# Altium PCB LED.PcbDoc
Units mm, origin at the board's own origin, x right, y up, seen from the top; angles counter-clockwise.
Board outline 32 x 32 mm, 2 copper layers (Top Layer, Bottom Layer); 25 components, 16 nets, 52 pads, 0 vias.
Unrouted connection lines stored in the file: 6.
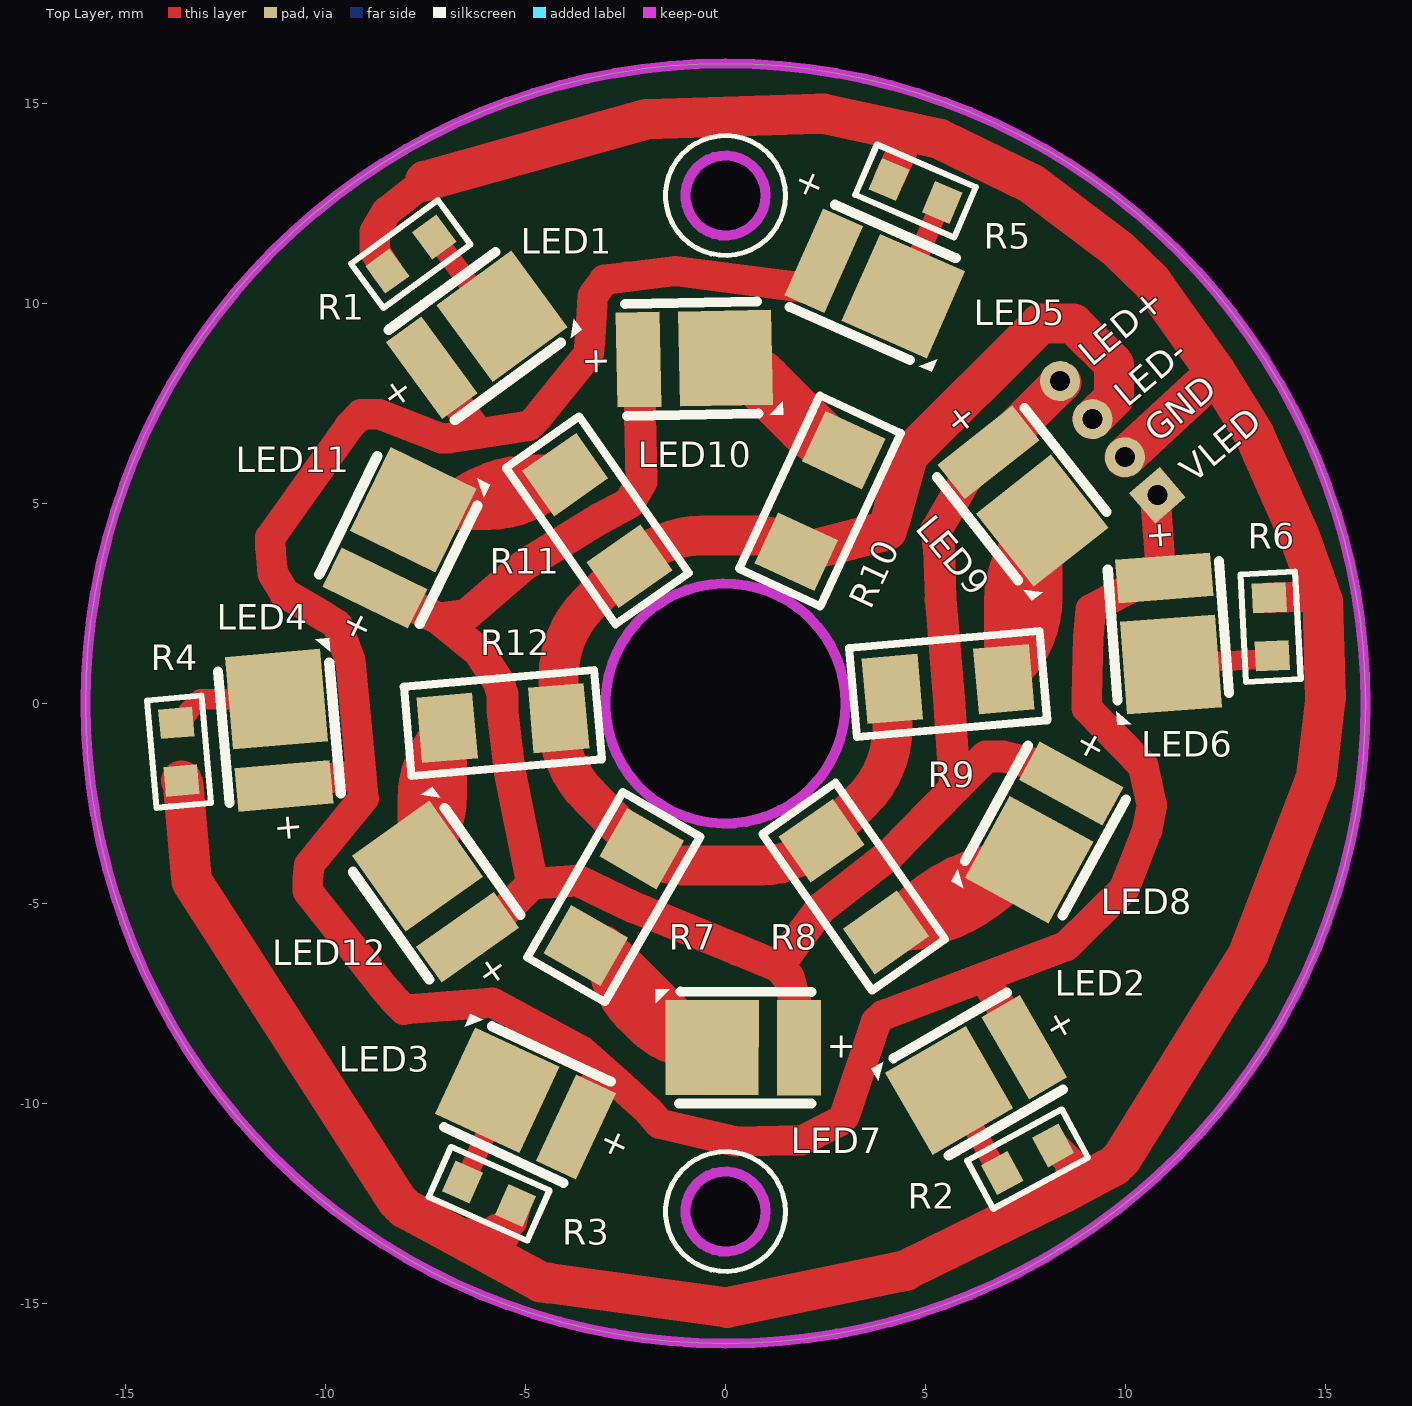
[diagram p0: Top Layer view]
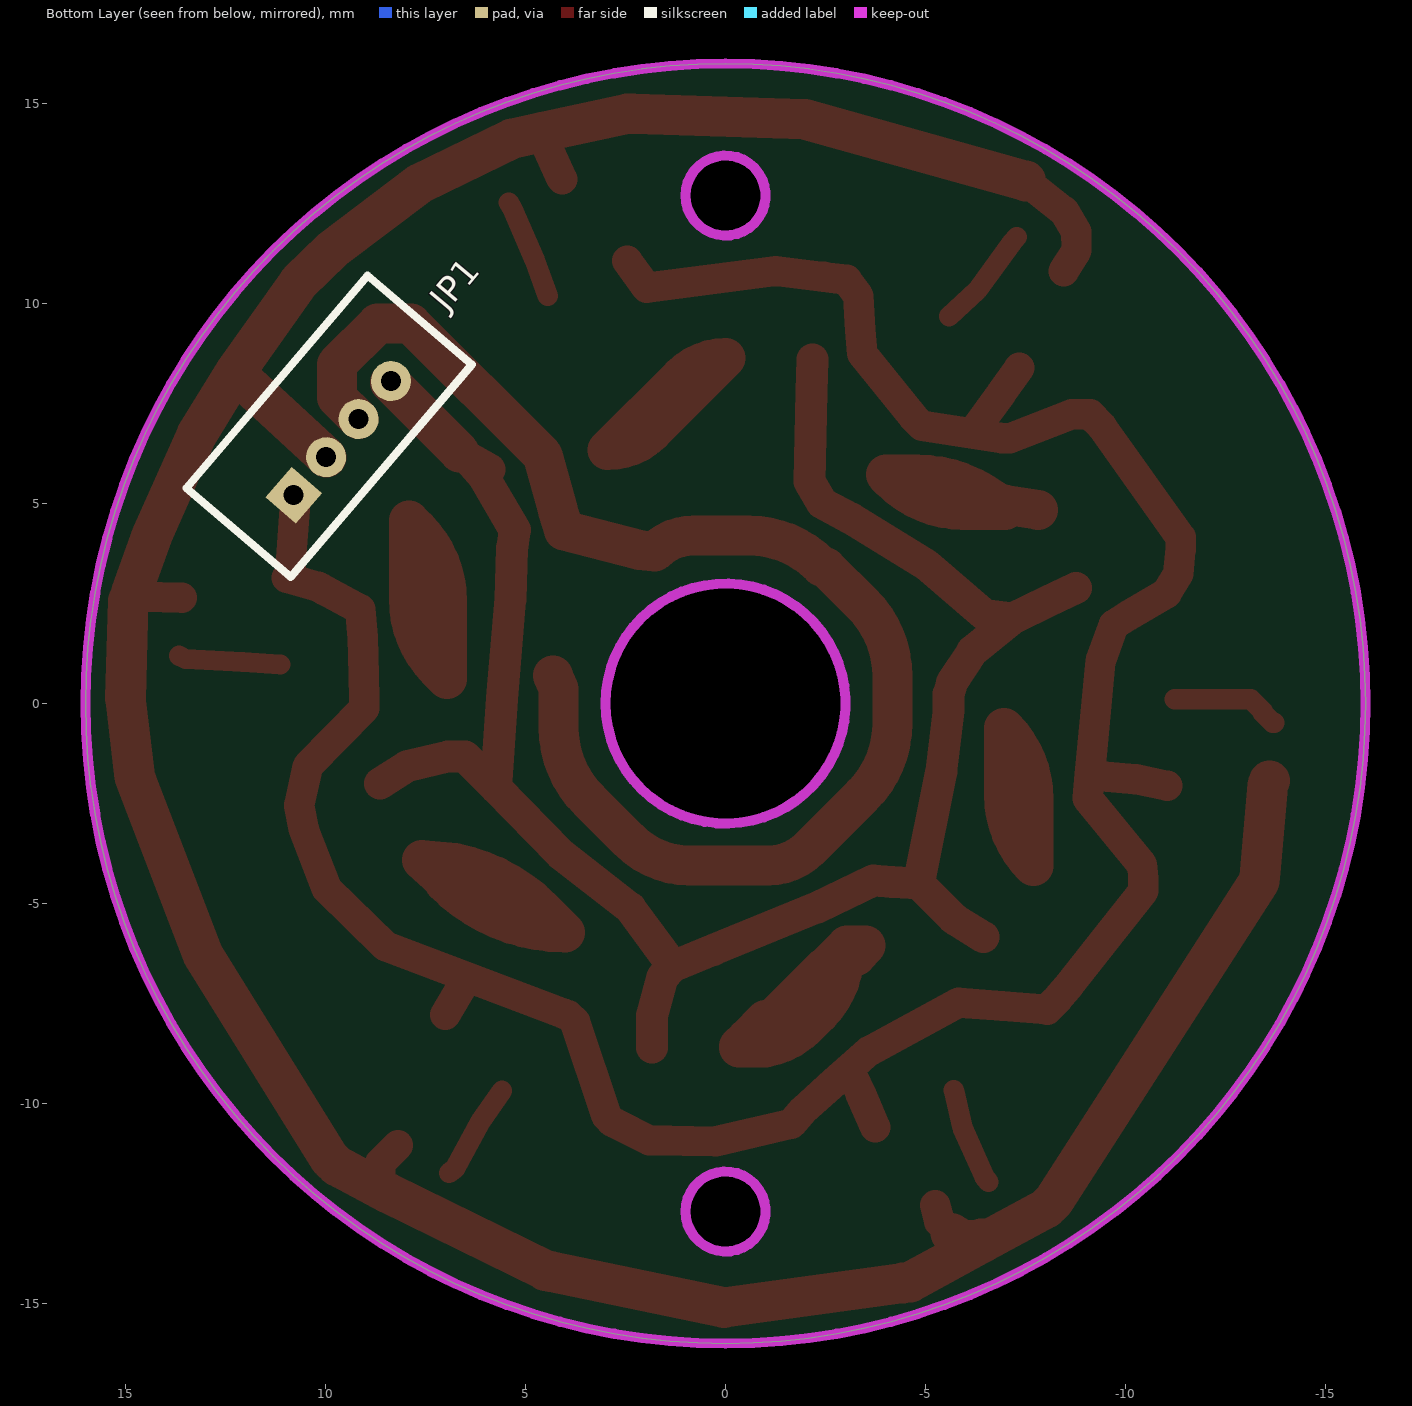
[diagram p1: Bottom Layer view, seen from below]
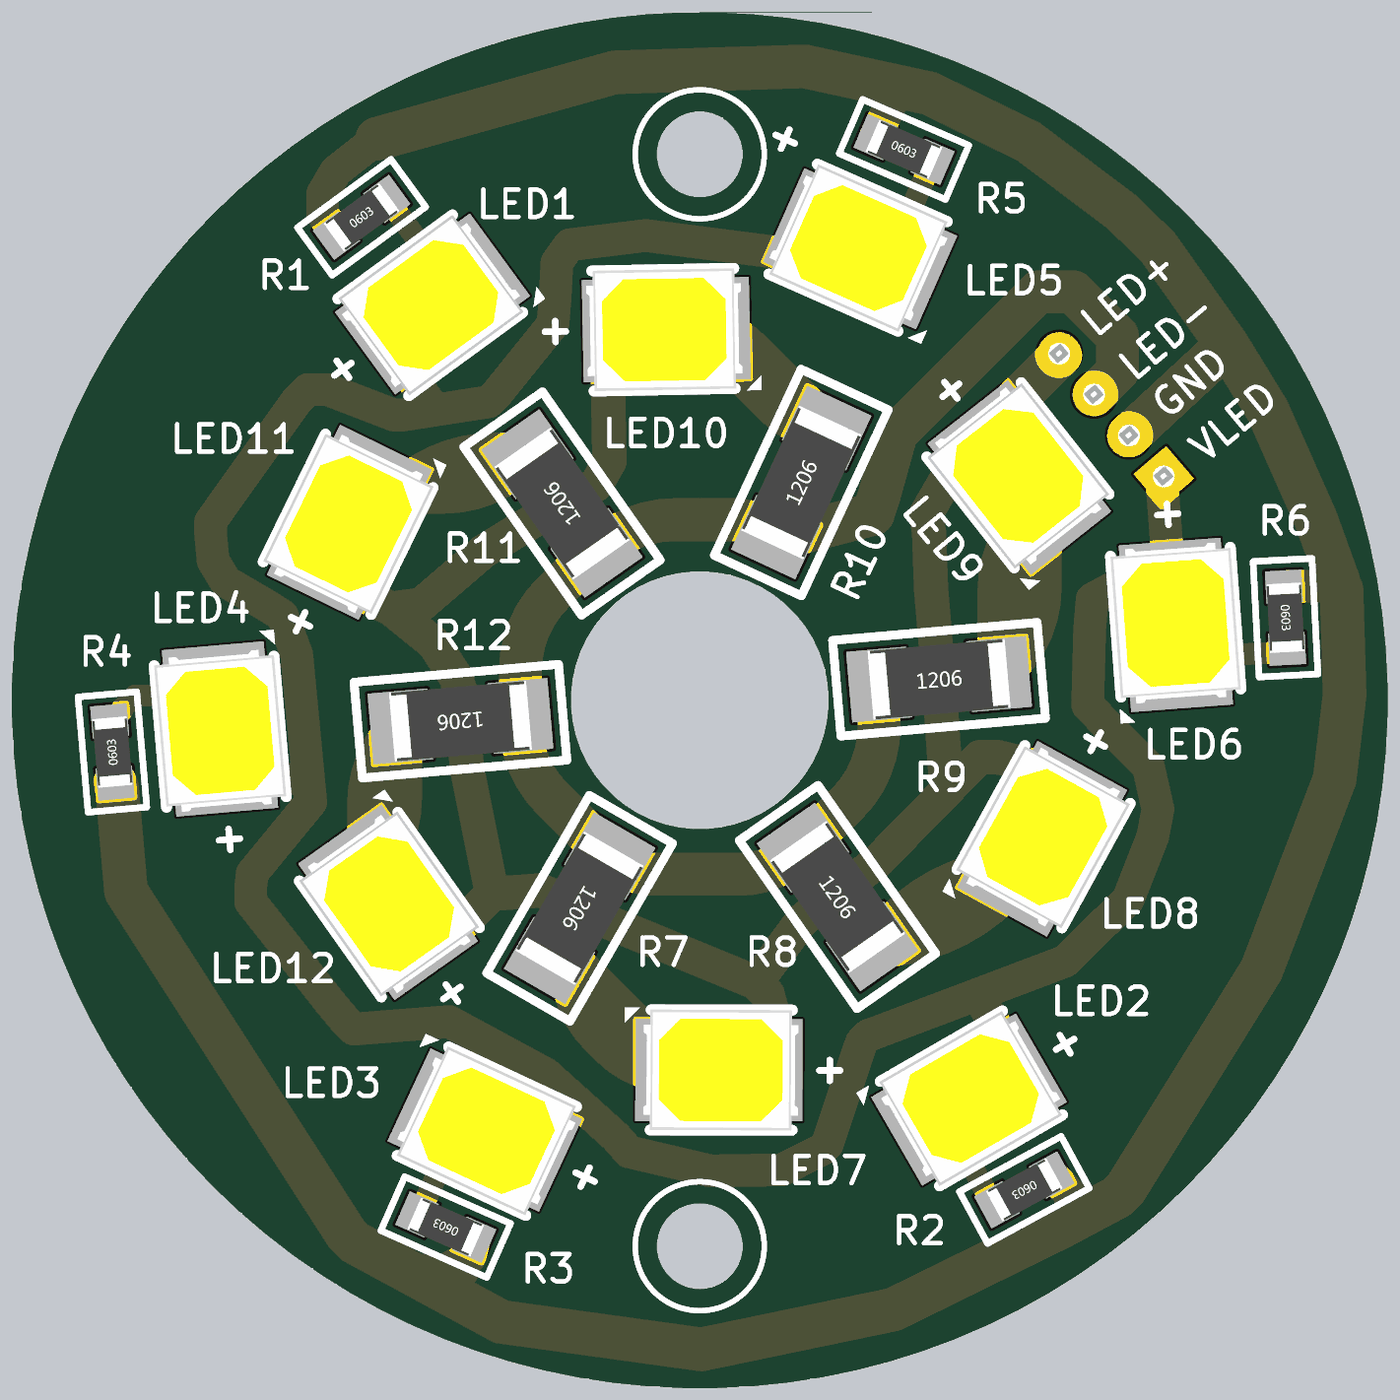
[diagram p2: 3D render of the assembled board from above, using the file's embedded part models]

## Layer stack, top to bottom
Top Solder: solder mask 0.0102, Solder Resist, Dk 3.5
Top Layer: signal copper 0.0356
Dielectric 1: dielectric 0.32, FR-4, Dk 4.8
Bottom Layer: signal copper 0.0356
Bottom Solder: solder mask 0.0102, Solder Resist, Dk 3.5

## Board outline
0,-16 cw(c0,0) -16,0 cw(c0,0) 0,16 cw(c0,0) 16,0 cw(c0,0)
cut-out: 0,-13.7 cw(c0,-12.7) -1,-12.7 cw(c0,-12.7) 0,-11.7 cw(c0,-12.7) 1,-12.7 cw(c0,-12.7)
cut-out: 0,11.7 cw(c0,12.7) -1,12.7 cw(c0,12.7) 0,13.7 cw(c0,12.7) 1,12.7 cw(c0,12.7)
cut-out: 0,-3 cw(c0,0) -3,0 cw(c0,0) 0,3 cw(c0,0) 3,0 cw(c0,0)

## Design rules (kind name [scope] priority, off if disabled: settings)
Clearance [All] p1: gap=0.152 ignorepadtopadclearanceinfootprint=TRUE except(0.254: SMDPad-Fill SMDPad-Poly SMDPad-Region; 0.305: Arc-Fill Arc-Poly Arc-Region Track-Fill Track-Poly Track-Region THPad-Fill THPad-Poly THPad-Region Via-Fill Via-Poly Via-Region Fill-Fill Fill-Poly Fill-Region Poly-Poly Poly-Region Region-Region)
PolygonConnect [All] p1: connectstyle=Direct reliefconductorwidth=0.254 reliefentries=4 polygonreliefangle="90 Angle" airgapwidth=0.254
RoutingVias [All] p1: holewidth=0.711 width=1.27 viastyle="Through Hole" minholewidth=0.711 minwidth=1.27 maxholewidth=0.711 maxwidth=1.27
SolderMaskExpansion [All] p1: expansion=0.064 istentingtop=FALSE
Width [All] p1: maxlimit=1.524 minlimit=0.152 preferedwidth=0.381
30 further rules are at their usual default settings.

## Components (designator, comment, footprint, x,y, rotation, side; value= is the part's Value field where it differs from the comment)
JP1 "HDR-1X4" MX1.25-L-4P 9.572,6.641 r130.45 bottom
LED1 "2835" "LED 2835-2P" -6.466,9.037 r216.16 top
LED2 "2835" "LED 2835-2P" 6.53,-9.135 r30 top
LED3 "2835" "LED 2835-2P" -4.723,-10.129 r335 top
LED4 "2835" "LED 2835-2P" -11.133,-0.974 r275 top
LED5 "2835" "LED 2835-2P" 3.45,10.626 r156.15 top
LED6 "2835" "LED 2835-2P" 11.052,2.059 r94.3 top
LED7 "2835" "LED 2835-2P" 0.753,-8.603 r359.89 top
LED8 "2835" "LED 2835-2P" 8.115,-2.954 r61.27 top
LED9 "2835" "LED 2835-2P" 7.245,5.426 r128.27 top
LED10 "2835" "LED 2835-2P" -1.087,8.615 r181.09 top
LED11 "2835" "LED 2835-2P" -8.287,3.864 r243.97 top
LED12 "2835" "LED 2835-2P" -7.074,-4.953 r305.27 top
R1 "100R" R0603_L -7.867,11.235 r36.13 top
R2 "100R" R0603_L 7.551,-11.39 r208.5 top
R3 "100R" R0603_L -5.91,-12.255 r156.14 top
R4 "100R" R0603_L -13.663,-1.205 r95 top
R5 "100R" R0603_L 4.752,12.813 r336.63 top
R6 "100R" R0603_L 13.626,1.919 r272.96 top
R7 "1R" R1206_L -2.794,-4.839 r240 top
R8 "1R" R1206_L 3.205,-4.577 r305 top
R9 "1R" R1206_L 5.567,0.487 r5 top
R10 "1R" R1206_L 2.362,5.064 r65 top
R11 "1R" R1206_L -3.205,4.577 r125 top
R12 "1R" R1206_L -5.567,-0.487 r185 top

## Footprints (in the part's own frame and the unit in brackets; to place one, negate y for a bottom-side part, rotate by r counter-clockwise, add the part's x,y. Pads: shape width x height; smd on the part's side, far side on the other; paste and mask are expansions set on the pad)
"LED 2835-2P" [mm]
  rect 1.1x2.38 smd mask+0.051: 1(1.088,0)
  rect 2.33x2.38 smd mask+0.051: 2(-1.087,0)
  silkscreen extent -2.5,-1.4 1.4,1.45, body extent -2.06,-1.4 1.54,1.4, height 0.71
MX1.25-L-4P [mm] "长：6.75mm，宽：3.2mm，高：4.2mm"
  rect 1x1 hole 0.5: 1(-1.885,0)
  round 1 hole 0.5: 2(-0.635,0) 3(0.615,0) 4(1.865,0)
  silkscreen extent -3.49,-1.27 3.49,2.16, body extent -3.38,-1.15 3.37,2.05, height 4.25
R0603_L [mm] "1/10W贴片电阻"
  rect 0.75x0.85 smd: 1(-0.725,0) 2(0.725,0)
  silkscreen extent -1.35,-0.69 1.35,0.69, body extent -0.8,-0.4 0.8,0.4, height 0.4
R1206_L [mm] "1/4W贴片电阻"
  rect 1.4x1.65 smd: 1(-1.4,0) 2(1.4,0)
  silkscreen extent -2.39,-1.12 2.39,1.12, body extent -1.6,-0.8 1.6,0.8, height 0.56

## Part data
JP1: library part "Header 4", "4P连接器", BOM名称=4P连接器, 联系卖家 免费技术支持=封装库来自淘宝卖家ID：黄晶宝石
LED1 LED2 LED3 LED4 LED5 LED6 LED7 LED8 LED9 LED10 LED11 LED12: library part LED-2835, "0.2W 功率LED", BOM名称=三基色LED, 封装库来自淘宝卖家：黄晶宝石=其他店铺购入均为盗版封装库，无更新权益，请立即申请退款，本店现金奖励200~1000元
R1 R2 R3 R4 R5 R6 R7 R8 R9 R10 R11 R12: library part R, "贴片电阻", BOM名称=贴片电阻, 联系下单店铺卖家 免费帮你查找封装="联系下单店铺卖家 免费技术支持"

## Nets (pads, with @x,y where several pads share a name; then routed paths per layer and width w, separated by ;. In a path a pad name is that pad's centre, name@x,y a point inside that pad or via, vN(x,y) a via of type N, cw(c..) or ccw(c..) an arc to the next point about the centre after c; other vN are vias at no path point)
GND: JP1.2 R1.1 R2.1 R3.1 R4.1 R5.1 R6.1 | length 86.1
  Top Layer w0.762: R1.1 -8.744,11.272 -8.775,11.332 -8.769,11.791 -8.466,12.305 -7.504,13.062 ; -5.636,-13.241 -5.349,-12.954 R3.1 ; R5.1 4.573,14.17 ; R2.1 8.628,-11.484 8.628,-12.136 ; R6.1 14.573,2.664
  Top Layer w1.016: R4.1 -13.556,-2.045 -13.368,-4.195 -13.346,-4.445 -8.22,-12.415 -8.09,-12.545 ; -8.018,-12.617 -6.443,-13.471 -4.616,-14.46 -4.433,-14.486 0.039,-15.101 4.376,-14.2 4.503,-14.174 8.424,-12.245 9.582,-11.628 9.715,-11.557 9.822,-11.45 ; -7.504,13.062 -1.979,14.607 2.314,14.741 2.33,14.742 2.455,14.742 4.597,14.279 5.339,14.119 7.649,12.993 9.82,11.358 10.664,10.534 12.268,8.272 ; -6.394,-13.381 -6.326,-13.414 -6.134,-13.426 -5.965,-13.437 -5.636,-13.241 ; 9.822,-11.45 9.905,-11.367 13.069,-6.273 13.103,-6.182 14.724,-1.955 14.769,-1.836 15.001,0.125 14.929,2.566 ; JP1.2 12.268,8.272 ; 14.856,2.766 14.33,4.218 13.213,6.734 12.268,8.272
LED+: JP1.4 LED7.1 LED8.1 LED9.1 LED10.1 LED11.1 LED12.1 | length 51.2
  Top Layer w0.8: LED11.1 -8.049,2.552 -7.182,2.129 ; LED12.1 -5.776,-5.421 -5.687,-5.358 -4.83,-4.501 ; -6.158,1.304 -6.192,1.331 ; LED10.1 -2.144,7.805 -2.102,5.556 -2.407,5.014 -3.146,4.62 -5.043,3.454 -6.479,2.222 -7.182,2.129 ; LED7.1 1.833,-7.815 1.833,-7.802 1.575,-6.836 1.309,-6.57 ; LED9.1@5.904,5.85 LED9.1@6.498,6.195 ; LED9.1 LED9.1@6.498,6.195 ; LED9.1@6.644,6.28 6.59,6.248 LED9.1@6.498,6.195 ; LED8.1@7.972,-1.57 6.936,-1.325 6.511,-1.325 6.274,-1.563 5.742,-2.106 ; LED8.1@7.972,-1.571 LED8.1 ; -7.182,2.129 -6.192,1.331 ; -6.192,1.331 -5.665,0.531 -5.58,0.238 -5.581,-0.152 -5.393,-1.7 -4.83,-4.501 ; -4.83,-4.501 -4.162,-4.459 -3.695,-4.423 -2.294,-5.095 0.302,-6.158 1.309,-6.57 ; 1.309,-6.57 2.38,-5.117 4.109,-3.773 5.742,-2.106 ; 5.742,-2.106 5.588,0.121 5.381,2.599 5.336,3.885 5.265,4.332 6.044,5.673 LED9.1@6.498,6.195
  Top Layer w1: LED9.1@6.644,6.28 JP1.4@8.394,8.029
LED-: JP1.3 R7.1 R8.1 R9.1 R10.1 R11.1 R12.1 | length 35.2
  Top Layer w1: R11.1@-2.512,3.399 -3.428,2.483 ccw(c-1.632,0.687) -4.172,0.687 R12.1 -4.172,-0.497 ccw(c-1.632,-0.497) -3.428,-2.293 R7.1 ccw(c-1.076,-2.609) -1.076,-4.049 0.91,-4.049 ccw(c0.91,-1.939) R8.1 3.428,-2.405 ccw(c1.632,-0.609) 4.172,-0.609 R9.1 R9.1@4.318,0.704 ; R11.1 -2.376,3.457 cw(c-0.58,1.661) -0.58,4.201 0.791,4.201 cw(c0.791,2.817) R10.1 2.149,3.84 4.033,4.328 4.186,4.809 4.573,6.202 7.868,9.497 8.696,9.497 9.714,8.479 9.714,7.65 JP1.3
NetLED1_2: LED1.2 R1.2 | length 2.6
  Top Layer w0.508: R1.2 -7.169,11.533 -6.288,10.326 LED1.2
NetLED2_2: LED2.2 R2.2 | length 2.5
  Top Layer w0.508: LED2.2 6.122,-10.451 6.76,-11.626 R2.2
NetLED3_2: LED3.2 R3.2 | length 2.5
  Top Layer w0.508: R3.2 -6.464,-11.823 -5.924,-10.602 LED3.2
NetLED4_2: LED4.2 R4.2 | length 2.8
  Top Layer w0.508: R4.2 -13.681,-0.482 -13.432,-0.234 -13.432,-0.188 -13.135,0.109 LED4.2
NetLED5_2: LED5.2 R5.2 | length 2.5
  Top Layer w0.508: LED5.2 4.764,11.069 5.33,12.377 R5.2
NetLED6_2: LED6.2 R6.2 | length 2.6
  Top Layer w0.508: LED6.2 12.067,1.04 13.497,1.114 R6.2
NetLED7_2: LED7.2 R7.2 | length 8.7
  Top Layer w1: R7.2 -3.266,-6.307 -2.946,-6.492 ccw(c-0.88,-6.274) -2.347,-7.745 -2.03,-8.062 ccw(c-0.659,-6.687) -1.003,-8.598 -1,-8.598 LED7.2 -0.335,-8.576 -0.537,-8.374 -1.002,-7.909 -1.167,-7.909 -2.507,-6.569 -2.524,-6.569 -3.041,-6.052 R7.2
NetLED8_2: LED8.2 R8.2 | length 8.3
  Top Layer w1: R8.2 4.38,-5.708 ccw(c4.008,-1.458) 7.025,-4.475 7.076,-4.382 LED8.2 6.761,-3.989 ccw(c7.592,-8.174) 4.575,-5.157 R8.2
NetLED9_2: LED9.2 R9.2 | length 8.5
  Top Layer w1: R9.2 7.175,0.823 ccw(c5.379,2.619) 7.919,2.619 LED9.2 7.705,4.358 ccw(c9.501,2.562) 6.961,2.562 R9.2
NetLED10_2: LED10.2 R10.2 | length 7.7
  Top Layer w1: LED10.2 cw(c0,7.065) 1.111,8.176 R10.2 cw(c2.953,7.904) 1.843,6.793 LED10.2
NetLED11_2: LED11.2 R11.2 | length 7.2
  Top Layer w1: LED11.2 -6.979,4.97 ccw(c-7.139,5.759) -6.664,5.11 cw(c-4.786,2.55) -4.786,5.724 R11.2 -4.147,5.586 cw(c-5.943,7.382) -5.943,4.842 LED11.2@-6.983,4.842
NetLED12_2: LED12.2 R12.2 | length 7.3
  Top Layer w1: LED12.2 ccw(c-9.491,-2.277) -6.961,-2.277 R12.2 ccw(c-5.173,-2.397) -7.702,-2.397 LED12.2
VCC_LED: JP1.1 LED1.1 LED2.1 LED3.1 LED4.1 LED5.1 LED6.1 | length 72.2
  Top Layer w0.762: LED4.1 -10.241,-1.89 -9.105,-1.791 ; LED1.1 -6.88,7.733 -6.219,6.829 ; LED3.1 -3.369,-9.728 -3.115,-9.184 -3.148,-9.082 ; LED5.1 1.974,10.395 -1.256,10.811 -2.456,10.665 -3.029,10.595 -3.321,10.186 -3.368,9.332 -3.415,8.75 -4.681,7.179 -4.707,7.148 -4.912,6.943 -6.206,6.743 -6.853,6.643 -6.911,6.634 -7.111,6.634 -8.657,7.227 -9.114,7.227 -9.382,6.959 -9.419,6.907 -11.378,4.156 -11.378,3.912 -11.378,3.878 -11.375,3.843 -11.32,3.247 -11.026,2.759 -10.063,2.197 -9.71,1.97 -9.376,1.058 -9.105,-1.791 ; 6.562,-7.015 LED2.1@7.003,-7.78 ; JP1.1 10.767,4.86 LED6.1@10.875,3.433 ; LED6.1 10.176,2.914 10.105,2.876 10.034,2.838 9.129,2.354 9.07,1.648 9.045,0.707 9.03,0.1 9.029,0.093 9.029,-0.121 10.438,-1.551 10.658,-2.536 10.537,-3.174 9.966,-4.631 8.5,-6.072 4.043,-7.755 3.929,-7.793 3.76,-7.962 2.973,-10.317 2.83,-10.46 2.756,-10.497 1.905,-10.924 0.254,-10.95 -1.646,-10.504 -1.954,-10.155 -2.725,-9.462 -3.148,-9.082 ; -9.105,-1.791 -9.05,-2.37 -10.41,-4.026 -10.448,-4.382 -10.448,-4.686 -9.69,-5.647 -8.616,-7.01 -8.31,-7.376 -8.288,-7.402 -8.264,-7.427 -8.041,-7.65 -6.924,-7.562 -5.833,-7.476 -3.578,-8.695 -3.148,-9.082

## Keep-outs
Keep-Out Layer:
  circle w0.254: c0,12.7 r1
  circle w0.254: c0,-12.7 r1
  circle w0.254: c0,0 r3
  circle w0.254: c0,0 r16

## Silkscreen, mask and mechanical layers (free items; w line width, h text height)
Top Overlay:
  circle w0.127: c0,-12.7 r1.5
  circle w0.127: c0,12.7 r1.5
  text "LED+" at 9.157,8.398 h0.64 r40
  text "LED-" at 10.046,7.382 h0.64 r40
  text "GND" at 10.808,6.493 h0.64 r40
  text "VLED" at 11.697,5.477 h0.64 r40

## Text inside footprints (layer, text, board x,y; h text height)
LED1: Top Overlay "+" at -8.051,8.193 h0.64 r216.16
LED2: Top Overlay "+" at 8.197,-8.466 h0.64 r30
LED3: Top Overlay "+" at -3.219,-11.111 h0.64 r335
LED4: Top Overlay "+" at -11.232,-2.767 h0.64 r275
LED5: Top Overlay "+" at 2.54,13.081 h0.64 r156.15
LED6: Top Overlay "+" at 11.172,3.851 h0.64 r94.3
LED7: Top Overlay "+" at 2.53,-8.86 h0.64 r359.89
LED8: Top Overlay "+" at 9.193,-1.517 h0.64 r61.27
LED9: Top Overlay "+" at 6.344,6.979 h0.64 r128.27
LED10: Top Overlay "+" at -2.87,8.836 h0.64 r181.09
LED11: Top Overlay "+" at -9.296,2.378 h0.64 r243.97
LED12: Top Overlay "+" at -6.255,-6.552 h0.64 r305.27